# KiCad board dilemma.kicad_pcb (continued)
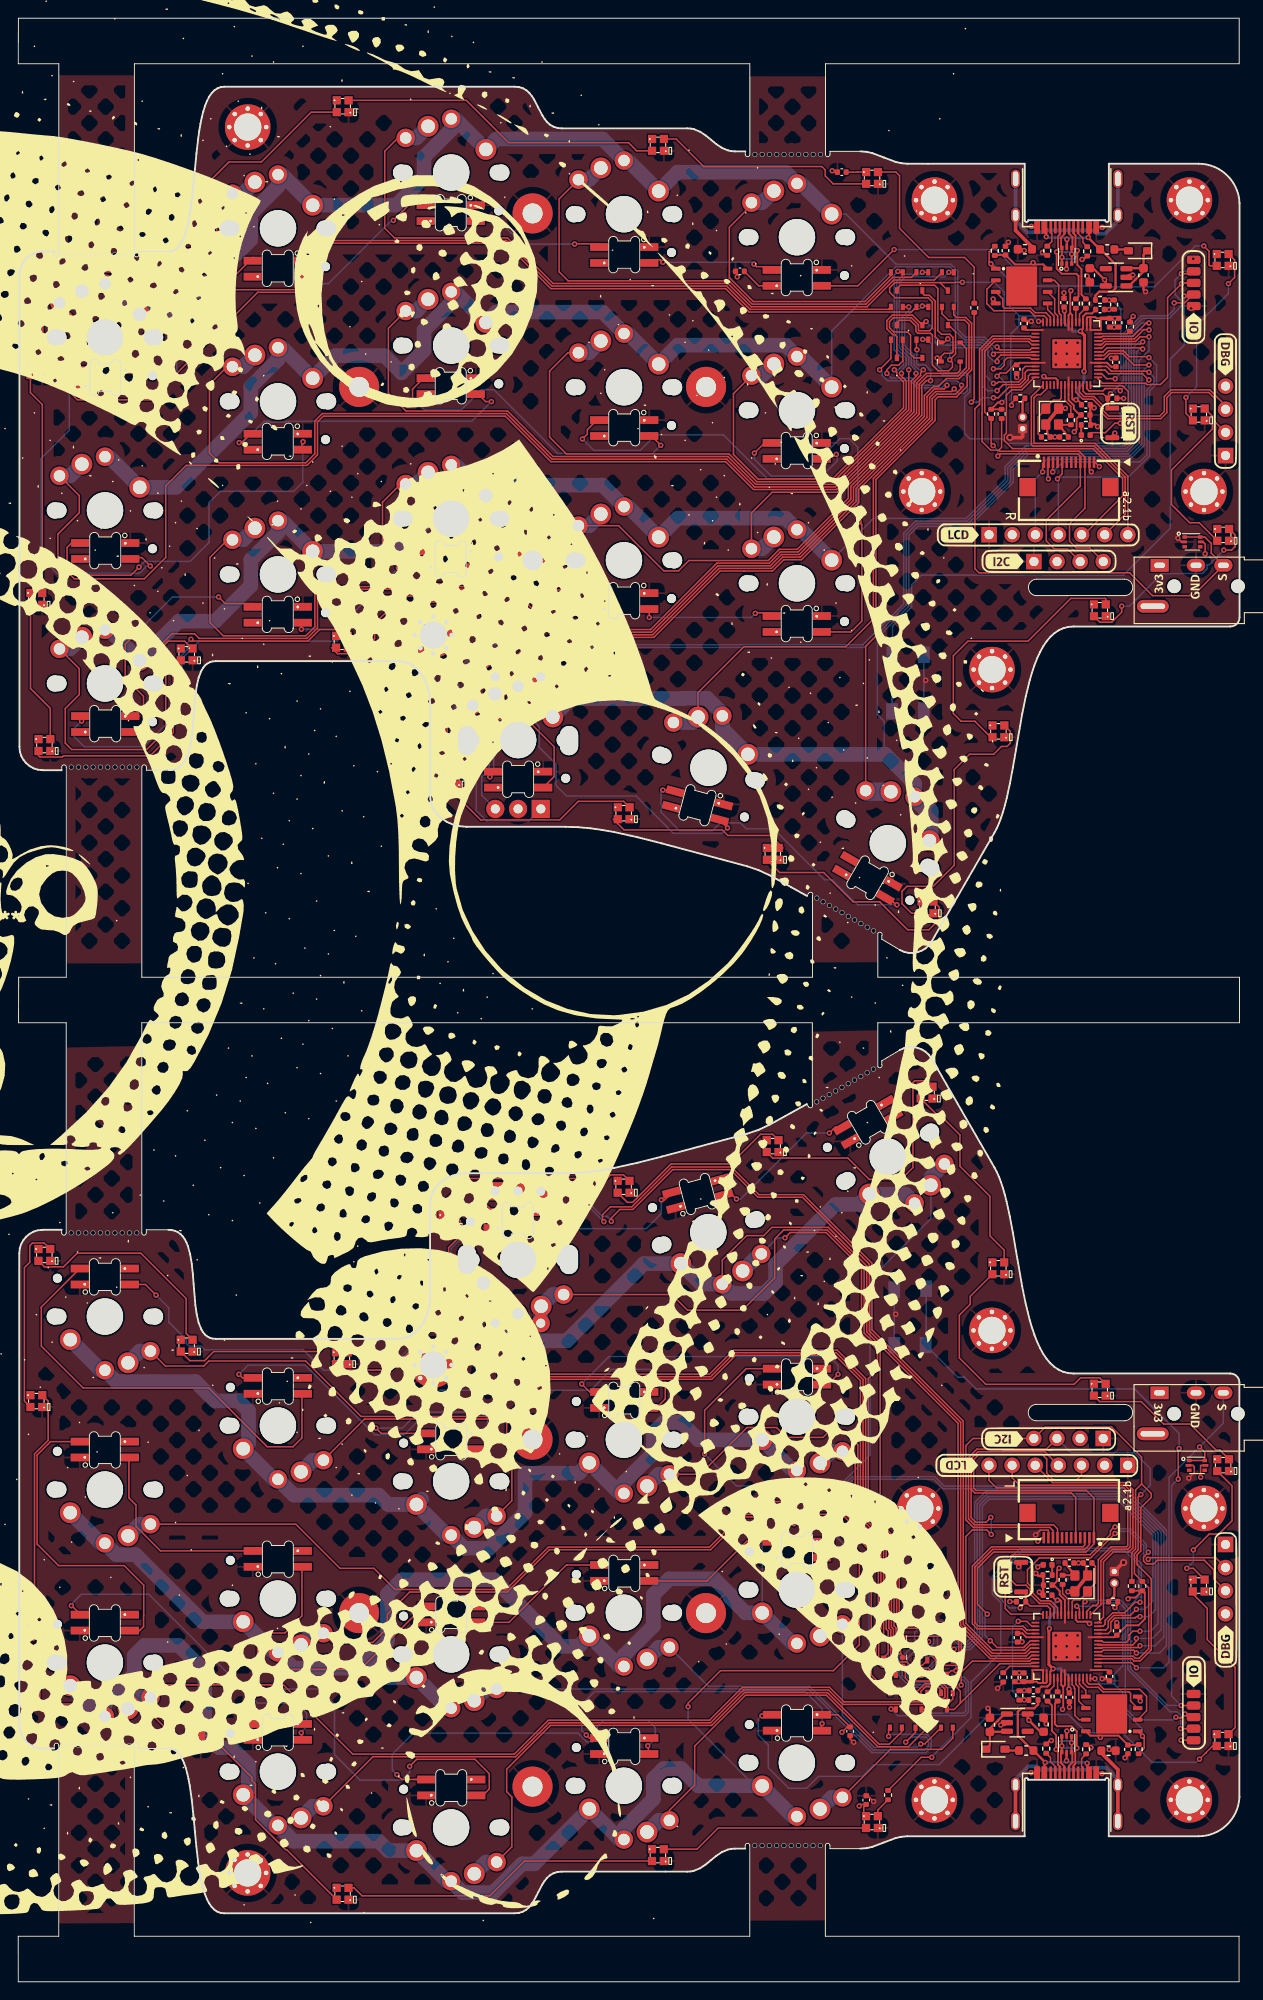
[diagram p0: board, top side]
## Routing (per net, layer and track width the routed paths; a pad name or vN(x,y) marks a point on that pad's centre or on a via; arc(x,y) is an arc through that point) (continued)
/~{RESET_L}: length 119.6
  Top w0.16: v1(127.72,30.34) 127.72,30.33 J5008.4 ; v1(127.41,55.2) 127.41,58.45 v1(127.51,58.55) ; v1(110.04,41.05) 110.67,41.68 R5002.1 111.14,41.26 113.05,41.26 113.36,40.95 U5002.26
  Top w0.25: R5002.1 110.67,42.77 110.63,42.81 SW5001.2
  Bottom w0.16: v1(127.72,30.34) 126.24,30.34 122.17,34.41 122.17,41.36 123.07,42.26 123.07,45.8 121.55,47.32 110.2,47.32 110.2,47.26 107.28,44.34 107.28,42.67 108.89,41.05 v1(110.04,41.05) ; v1(127.72,30.34) 127.72,30.33 J5008.4 ; v1(127.72,30.34) 126.68,31.37 126.68,54.47 v1(127.41,55.2) ; v1(127.51,58.55) 127.51,60.2 122.61,65.1 105.21,65.1 103.94,66.37 ; 103.82,66.48 103.94,66.37 ; 103.94,66.37 103.2,66.37 SW5021.1 99.72,69.95 SW5021.1
/~{RESET}: length 97.1
  Top w0.16: v1(128.06,185.1) 128.94,185.1 J4.4 129.01,185.27 128.09,184.34 v1(126.97,184.34) ; U1.26 116.96,174.65 117.27,174.34 119.18,174.34 R2.1 119.96,174.18 v1(119.96,174.37)
  Top w0.25: SW1.2 119.69,172.79 119.65,172.83 R2.1
  Bottom w0.16: v1(126.97,184.34) 126.97,183.62 126.28,182.93 123.35,182.93 121.4,180.98 121.4,175.8 v1(119.96,174.37) ; J5010.4 128.21,185.25 v1(128.06,185.1) 128.06,179.7 126.54,178.18 126.54,159.62 121.41,154.49 121.41,154.45 99.21,154.45 98.11,153.35 98.11,150.92 96.02,148.83 SW5022.1 95.97,145.65 SW5022.1
ENC_PIN1: length 124.7
  Top w0.16: 123.6,179.28 123.48,179.4 119.58,179.4 119.14,178.97 118.6,178.97
  Bottom w0.16: 123.6,179.28 123.16,179.28 122.83,178.95 122.83,169.08 121.8,168.05 110.88,168.05 108.99,166.16 108.99,164.75 104.34,160.1 98.69,160.1 97.54,158.94 97.54,151.16 92.89,146.51 51.13,146.51 48.37,143.75 48.37,139.24 49.06,138.55 50.82,138.55 51.73,137.64 51.73,133.11 50.91,132.29 50.91,130.27 SW3002.B
  vias: v1(123.51,179.28)
ENC_PIN1_L: length 98.6
  Top w0.16: v1(64.33,83.47) 64.18,83.62 64.18,84.24 65.03,85.09 67.4,85.09 71.77,89.46 78.33,89.46 81.36,86.43 86.25,86.43 93.77,78.91 93.77,71.59 103.8,61.56 103.8,39.24 106.97,36.07 110.61,36.07 111.18,36.63 U5002.36
  Bottom w0.16: v1(64.33,83.47) 60.99,86.81 SW5020.B
ENC_PIN2: length 133.4
  Top w0.16: v1(123.51,180.07) 123.26,179.82 119.47,179.82 119.02,179.37 118.6,179.37
  Bottom w0.16: SW3002.A 56.08,127.46 51.44,127.46 50.31,128.59 50.31,133.4 51.44,134.53 51.44,137.51 50.68,138.26 48.94,138.26 47.92,139.28 47.92,143.71 51.01,146.8 92.77,146.8 97.25,151.28 97.25,159.06 98.57,160.38 104.22,160.38 108.68,164.84 108.68,166.25 110.77,168.35 121.7,168.35 122.54,169.19 122.54,179.51 123.11,180.07 v1(123.51,180.07)
ENC_PIN2_L: length 104.1
  Top w0.16: U5002.37 111.18,36.23 110.73,35.78 106.86,35.78 103.51,39.12 103.51,61.44 93.48,71.47 93.48,78.79 86.13,86.14 81.24,86.14 78.21,89.18 71.89,89.18 67.51,84.8 66.08,84.8 65.15,83.87 v1(65.15,83.5)
  Bottom w0.16: SW5020.A 53.72,88.14 60.06,88.14 64.16,84.04 64.69,84.04 65.15,83.58 v1(65.15,83.5)
encoder_diode: length 82.2
  Top w0.16: D37.1 99.37,180.3 v1(99.34,180.33) ; v1(102.81,174.9) 102.51,174.61 100.77,174.61 100.1,173.94 100.1,171.64 92.31,163.85 92.31,162.42 86.03,156.14 84.08,156.14 82.84,154.9 77.09,154.9 69.8,147.61 56.73,147.61 SW3002.S1
  Bottom w0.16: v1(102.81,174.9) 103.31,174.39 103.94,174.39 104.24,174.69 104.24,176.11 103.97,176.38 101.62,176.38 100.29,177.71 100.29,179.81 99.78,180.33 v1(99.34,180.33)
  Bottom w1.6: SW3001.2 51.09,140.14 SW3001.2 52.37,143.25 SW3002.S1
encoder_diode_L: length 96.2
  Top w0.16: SW5013.2 71.8,75.46 73.52,73.74 79.54,73.74 83.08,77.28 83.08,81.55 84.08,82.55 88.84,82.55 92.91,78.49 92.91,71.23 94.67,69.47 94.67,50.38 96.77,48.28 96.77,39.92 97.59,39.1 100.32,39.1 v1(100.96,38.46) ; D5008.1 98.71,35.3 v1(99.13,35.72)
  Bottom w0.16: v1(99.13,35.72) 100.15,35.72 100.96,36.53 v1(100.96,38.46)
  Bottom w1.6: SW5013.2 58.72,75.46 SW5013.2 57.39,74.13 SW5020.S1
HAND: length 3.6
  Top w0.16: R101.1 121.86,180.97 118.6,180.97
HAND_L: length 3.8
  Top w0.16: R5012.1 108.88,34.63 U5002.41
IO14_L: length 25.7
  Top w0.16: v1(127.66,27.8) 129.09,27.8 J5008.2 ; U5002.17 116.96,41.53 v1(117.18,41.75)
  Bottom w0.16: J5008.2 127.66,27.79 v1(127.66,27.8) 127.66,27.81 127.66,29.26 127.28,29.65 126.52,29.65 121.88,34.29 121.88,41.09 121.09,41.88 117.31,41.88 v1(117.18,41.75)
IO15_L: length 27.3
  Top w0.16: v1(127.16,29.05) 127.23,28.98 127.74,28.98 v1(128.16,29.4) 128.76,29.4 J5008.3 ; v1(116.26,41.24) 116.56,40.95 U5002.18
  Bottom w0.16: v1(127.16,29.05) 126.87,28.76 122.85,28.76 121.59,30.02 121.59,40.97 120.97,41.6 119.12,41.6 118.77,41.24 v1(116.26,41.24) ; v1(128.16,29.4) 128.49,29.06 J5008.3
IO16: length 25.2
  Top w0.16: U1.27 117.36,174.93 117.61,174.68 119.14,174.68 119.4,174.94 120.81,174.94 v1(121.05,174.7) ; v1(127.75,187.54) 128.84,187.54 J4.2
  Bottom w0.16: v1(121.05,174.7) 121.68,175.33 121.68,180.86 123.47,182.64 126.4,182.64 127.75,183.99 127.75,184.56 127.06,185.25 127.06,186.85 v1(127.75,187.54) 128,187.79 J5010.2
IO18: length 22.1
  Top w0.16: J4.3 127.85,186.54 v1(127.76,186.45) 126.24,184.92 126.24,176.16 125.46,175.39 124.39,175.39 124.37,175.37 123.96,175.37 123.82,175.51 119.08,175.51 118.6,176 U1.29
  Bottom w0.16: J5010.3 127.84,186.52 v1(127.76,186.45)
M_COL1: length 28.4
  Top w0.16: 111.73,177.37 110.61,177.37 110.31,177.07 110.31,176.1 109.87,175.66 107.66,175.66 107.5,175.5 v1(107.11,175.5) ; D35.3 96.51,180.64 96.29,180.86 96.05,180.86 95.41,181.49 95.41,182.41 96,183 98.21,183 D30.3 v1(99.71,182.3)
  Bottom w0.16: v1(99.71,182.3) 100.71,181.3 100.71,180 100.99,179.71 105.69,179.71 106.22,179.19 106.22,176.39 v1(107.11,175.5)
M_COL1_L: length 63.8
  Top w0.16: v1(123.21,40.1) 122.82,40.1 122.66,39.94 120.45,39.94 120.01,39.5 120.01,38.53 119.71,38.23 U5002.11 ; D5002.3 98.3,33.7 v1(98.18,33.82) ; v1(102.79,36.51) 102,37.3 D5003.3
  Bottom w0.16: v1(123.21,40.1) 124.17,40.1 124.91,40.85 124.91,49.17 120.8,53.29 106.53,53.29 105.61,52.36 105.61,37.93 104.44,36.77 103.05,36.77 v1(102.79,36.51) 101.36,36.51 101.06,36.21 101.06,35.66 99.25,33.84 98.2,33.84 v1(98.18,33.82)
M_COL2: length 32.6
  Top w0.16: D36.3 102.21,181.9 102.95,181.16 102.95,178.74 v1(102.31,178.1) 102.61,177.8 102.61,177.3 102.21,176.9 101.01,176.9 100.41,177.5 100.41,180.8 100.21,181 98.81,181 98.59,181.22 98.59,181.81 97.97,182.43 96.74,182.43 96.51,182.2 D31.3 ; 111.73,176.97 110.86,176.97 110.6,176.7 110.6,175.98 109.99,175.37 108.18,175.37 v1(107.51,174.7)
  Bottom w0.16: v1(102.31,178.1) 102.31,178.9 102.84,179.43 105.58,179.43 105.94,179.07 105.94,175.22 106.46,174.7 v1(107.51,174.7)
M_COL2_L: length 75.1
  Top w0.16: v1(122.81,40.9) 122.14,40.23 120.33,40.23 119.72,39.62 119.72,38.9 119.46,38.63 U5002.12 ; v1(103.56,37.85) 103.58,37.82 103.58,34.84 103.18,34.44 103.08,34.44 102.99,34.35 v1(102.99,34.16) 102.46,34.16 D5005.3 ; D5006.3 95.58,33.7 v1(95.57,33.7)
  Bottom w0.16: v1(122.81,40.9) 123.73,40.9 124.63,41.8 124.63,49.03 120.66,53 106.65,53 105.9,52.24 105.9,37.81 104.56,36.48 103.61,36.48 102.99,35.86 v1(102.99,34.16) ; v1(95.57,33.7) 95.57,36.31 96.43,37.16 96.43,38.64 97.38,39.59 101.5,39.59 103.24,37.85 v1(103.56,37.85)
M_COL3: length 50.4
  Top w0.16: U1.9 111.29,178.17 111.13,178.33 108.64,178.33 108.31,178 108.31,177.5 107.91,177.1 v1(107.11,177.1) ; D37.3 98.41,178.3 98.01,178.7 98.01,180.8 97.67,181.14 96.17,181.14 95.69,181.61 95.69,182.29 96.12,182.71 98.09,182.71 98.88,181.93 98.88,181.34 98.93,181.29 100.09,181.29 100.39,181.58 100.39,184.46 99.95,184.9 96.32,184.9 95.71,185.51 95.71,185.99 96.28,186.57 101.24,186.57 ; 101.24,186.57 D32.3 ; 101.24,186.57 102.94,186.57 102.97,186.6 v1(103.71,186.6)
  Bottom w0.16: v1(103.71,186.6) 107.21,186.6 108.31,185.5 108.31,177.9 107.51,177.1 v1(107.11,177.1)
M_COL3_L: length 91.1
  Top w0.16: v1(123.21,38.5) 122.41,38.5 122.01,38.1 122.01,37.6 121.68,37.27 119.19,37.27 119.03,37.43 U5002.9 ; D5008.3 99.95,37.3 v1(100,37.35) ; D5007.3 95.92,29.9 v1(95.87,29.95)
  Bottom w0.16: v1(95.87,29.95) 96.6,29.22 103.96,29.22 104.37,29.63 104.37,32.95 103.86,33.46 103.02,33.46 102.45,32.89 97.86,32.89 97.1,33.65 97.1,35.69 98.75,37.35 ; v1(123.21,38.5) 124.38,38.5 125.2,39.32 125.2,49.29 120.92,53.57 106.41,53.57 105.32,52.48 105.32,38.05 104.32,37.05 103.23,37.05 101.26,39.02 99.09,39.02 98.46,38.38 98.46,37.64 98.75,37.35 ; 98.75,37.35 v1(100,37.35)
M_COL4: length 19.4
  Top w0.16: v1(102.1,180.39) 101.71,180 D112.1 100.71,180.64 100.71,184.54 100.06,185.19 99.52,185.19 99.3,185.4 D33.3 ; v1(107.51,177.9) 107.51,178.2 107.92,178.61 111.68,178.61 U1.8
  Bottom w0.16: v1(107.51,177.9) 107.19,177.9 106.51,178.58 106.51,179.38 105.89,180 102.49,180 v1(102.1,180.39)
M_COL4_L: length 87.8
  Top w0.16: v1(96.72,36.23) 97.15,35.8 D5009.1 ; v1(99.95,29.95) 99.26,29.95 D5010.3 ; v1(122.81,37.7) 122.81,37.4 122.4,36.99 118.64,36.99 U5002.8
  Bottom w0.16: v1(99.95,29.95) 100.39,29.51 103.84,29.51 104.08,29.75 104.08,32.83 103.74,33.17 103.14,33.17 102.57,32.61 97.74,32.61 96.72,33.63 v1(96.72,36.23) 96.72,38.52 97.5,39.3 101.38,39.3 103.35,37.34 104.21,37.34 105.04,38.17 105.04,52.6 106.3,53.86 121.04,53.86 125.54,49.36 125.54,38.66 124.58,37.7 v1(122.81,37.7)
M_COL5: length 66.5
  Top w0.16: D34.3 96.51,185.9 96.89,186.28 100.64,186.28 101.01,185.91 101.01,181.3 101.41,180.9 102.31,180.9 102.67,180.54 102.67,178.96 102.51,178.8 101.71,178.8 101.36,178.45 D115.1 100.96,178.29 v1(100.93,178.29) 101.07,178.15 ; 124.2,182.14 123.89,182.14 122.44,180.68 119.11,180.68 119,180.57 U1.40
  Bottom w0.16: v1(100.93,178.29) 100.93,177.48 101.74,176.67 104.09,176.67 104.52,176.23 104.52,174.57 103.94,173.98 103.94,170.01 104.53,169.42 108.09,169.42 108.59,168.92 121.46,168.92 121.97,169.43 121.97,180.74 123.36,182.14 124.2,182.14
  vias: v1(124.19,182.14)
M_COL5_L: length 28.5
  Top w0.16: D5011.1 97.38,37.93 102.66,37.93 103.3,37.29 103.3,34.96 103.08,34.74 101.5,34.74 101.07,34.32 101.07,33.66 101.65,33.09 102.69,33.09 103.07,32.71 103.07,32.32 103.48,31.91 103.48,30.59 ; 103.48,30.59 107.81,34.92 111.2,34.92 111.31,35.03 U5002.40 ; 103.48,30.59 102.79,29.9 D5012.3
M_ROW1: length 139
  Top w0.16: U1.38 119.01,179.77 119.35,180.11 122.72,180.11 123.23,180.62 124.2,180.62
  Bottom w0.16: 124.2,180.62 124.2,179.1 123.12,178.02 123.12,168.96 121.92,167.76 111,167.76 109.28,166.04 109.28,164.63 104.46,159.81 98.81,159.81 97.82,158.83 97.82,151.04 94.37,147.59 94.37,139.14 95.11,138.39 95.11,134.89 98.46,131.55
  Bottom w1.6: SW119.1 98.46,131.55 95.24,134.77 SW118.1 77.34,137.58 SW118.1 77.34,139.27 75.67,140.94 73.14,140.94 73.11,140.9 60.74,140.9 SW3001.1 57.4,140.2 SW3002.S2 56.36,142.24 SW3001.1
  Bottom w2: SW119.1 100.08,128.49 SW119.1
  vias: v1(124.19,180.62)
M_ROW1_L: length 141.3
  Top w0.16: U5002.38 111.3,35.83 110.96,35.49 106.73,35.49 103.23,39 103.23,61.32 93.19,71.35 93.19,78.61 88.96,82.84 82.79,82.84 81.88,81.93 80.02,81.93 77.33,79.24 SW5005.1
  Bottom w1.6: SW5013.1 53.44,73.36 SW5020.S2 ; SW5020.S2 54.31,70.38 60.25,70.38 68.72,78.86 SW5005.1 75.03,76.6 SW5005.1 78.34,75.58 81.92,75.58 83.19,76.85 83.19,78.78 89.76,85.35 92.33,85.35 SW5009.1 97.44,86.49 SW5009.1 ; SW5020.S2 52.39,75.42 SW5013.1
M_ROW2: length 136.7
  Top w0.16: 111.73,179.37 111.31,179.37 111.13,179.19 107.82,179.19 v1(107.51,179.5)
  Bottom w0.16: SW115.1 90.92,194.09 96.42,188.59 102.44,188.59 103.19,187.84 103.19,181.41 104.04,180.57 106.12,180.57 107.2,179.5 v1(107.51,179.5)
  Bottom w1.6: SW115.1 85.98,197.45 SW115.1 84.28,198.7 72.43,198.7 SW112.1 66.98,199.98 SW112.1 64.18,202.34 52.51,202.34 SW107.1 48.01,204.55 SW107.1 47.56,203.35 44.56,200.35 44.56,198.12 41.51,195.07 SW104.1 28.98,198.43 SW104.1 28.53,197.13 25.54,194.13 25.54,191.29 17.34,183.09 SW101.1 9.98,186.45 SW101.1
M_ROW2_L: length 229.5
  Top w0.16: v1(89.78,49.86) 89.78,49.69 92.39,47.08 92.39,37.01 89.54,34.16 77.14,34.16 73.58,30.6 v1(73.58,30.2) ; U5002.6 119.01,36.23 119.19,36.41 122.5,36.41 v1(122.81,36.1)
  Bottom w0.16: v1(122.81,36.1) 125.36,36.1 126.11,36.85 126.11,49.6 121.27,54.43 116.5,54.43 116.5,54.44 116.49,54.43 101.69,54.43 100.66,55.47 91.6,55.47 89.78,53.65 v1(89.78,49.86) ; SW5017.1 80.91,21.51 73.58,28.84 v1(73.58,30.2)
  Bottom w1.6: SW5002.1 9.07,29.15 SW5002.1 9.52,30.57 12.75,33.8 12.75,35.81 13.88,36.94 17.64,36.94 20.49,34.09 20.49,27.3 22.09,25.7 23.43,25.7 25.29,23.84 25.29,21.11 SW5006.1 28.07,17.17 SW5006.1 30.26,15.44 39.6,15.44 40.63,14.41 SW5010.1 47.1,11.05 SW5010.1 48.8,9.8 52.19,9.8 55.34,12.95 56.68,12.95 SW5014.1 66.07,15.62 SW5014.1 66.52,16.83 69.75,20.06 69.75,22.29 70.88,23.41 72.81,23.41 74.71,21.51 SW5017.1 85.07,18.15 SW5017.1
M_ROW3: length 145.5
  Top w0.16: v1(107.11,178.7) 107.31,178.9 111.26,178.9 111.33,178.97 111.73,178.97
  Bottom w0.16: SW116.1 89.34,181.25 96.4,188.31 102.32,188.31 102.91,187.72 102.91,181.29 103.92,180.29 106.01,180.29 107.01,179.28 107.01,178.8 v1(107.11,178.7)
  Bottom w1.6: SW116.1 85.98,178.45 SW116.1 84.28,179.7 72.43,179.7 SW113.1 66.98,180.98 SW113.1 64.18,183.34 52.51,183.34 SW108.1 48.01,185.55 SW108.1 47.56,184.35 44.56,181.35 44.56,179.12 42.1,176.66 40.21,178.55 34.83,178.55 SW105.1 28.98,179.43 SW105.1 28.53,178.13 25.54,175.13 25.54,172.29 17.34,164.09 SW102.1 9.98,167.45 SW102.1
M_ROW3_L: length 199.2
  Top w0.16: v1(90.55,53.41) 89.87,52.73 v1(82.86,52.73) ; U5002.7 118.99,36.63 119.06,36.7 123.01,36.7 v1(123.21,36.9)
  Bottom w0.16: v1(90.55,53.41) 90.55,54.01 91.71,55.18 100.54,55.18 101.57,54.14 121.16,54.14 125.82,49.48 125.82,37.87 124.86,36.9 v1(123.21,36.9) ; SW5018.1 81.71,51.59 v1(82.86,52.73)
  Bottom w1.6: SW5003.1 9.07,48.15 SW5003.1 10.77,46.9 12.89,46.9 20.26,39.53 SW5007.1 28.07,36.17 SW5007.1 30.26,34.44 37.58,34.44 ; SW5011.1 47.1,30.05 SW5011.1 40.63,33.41 39.6,34.44 37.58,34.44 ; SW5018.1 85.07,37.15 SW5018.1 79.89,40.51 78.21,42.18 78.21,42.49 76.46,44.25 71.51,44.25 69.75,42.5 69.75,39.06 66.52,35.83 SW5015.1 66.07,34.62 SW5015.1 61.57,36.84 59.6,36.84 52.29,44.15 42.14,44.15 40.56,42.57 40.56,37.42 37.58,34.44
M_ROW4: length 163.2
  Top w0.16: 124.19,181.41 123.62,181.41 122.6,180.39 119.23,180.39 119.01,180.17 U1.39
  Bottom w0.16: 124.19,181.41 123.04,181.41 122.25,180.62 122.25,169.31 121.58,168.63 110.66,168.63 108.39,166.37 108.39,164.96 104.1,160.67 93.92,160.67 SW117.1
  Bottom w1.6: SW117.1 85.98,159.45 SW117.1 84.28,160.7 72.43,160.7 SW114.1 66.98,161.98 SW114.1 64.18,164.34 52.51,164.34 SW109.1 48.01,166.55 SW109.1 47.56,165.35 44.56,162.35 44.56,160.12 41.51,157.07 SW106.1 28.98,160.43 SW106.1 28.53,159.13 25.54,156.13 25.54,153.29 21.64,149.39 17.64,149.39 SW103.1 9.98,148.45 SW103.1
  vias: v1(124.2,181.37)
M_ROW4_L: length 156.5
  Top w0.16: U5002.39 111.3,35.43 111.08,35.21 104.78,35.21 103.57,34 v1(103.57,32.59)
  Bottom w0.16: SW5019.1 85.52,51.21 86.98,49.76 88.85,49.76 89.43,49.19 89.54,49.19 93.47,45.26 93.47,33.56 94.71,32.32 103.3,32.32 v1(103.57,32.59)
  Bottom w1.6: SW5012.1 40.63,52.41 39.6,53.44 30.26,53.44 SW5008.1 28.07,55.17 SW5008.1 25.29,59.11 25.29,62.7 24.22,63.78 21.59,63.78 19.47,65.9 10.77,65.9 SW5004.1 9.07,67.15 SW5004.1 ; SW5012.1 47.1,49.05 SW5012.1 49,47.6 51.75,47.6 55.66,51.51 55.66,55.84 61.57,55.84 SW5016.1 66.07,53.62 SW5016.1 66.52,54.83 69.75,58.06 69.75,60.29 70.88,61.41 72.81,61.41 74.71,59.51 SW5019.1 85.07,56.15 SW5019.1 ; SW5012.1 44.32,52.99
NCS: length 27.7
  Top w0.16: 118.6,177.37 119.54,177.37 120.06,176.85 124.06,176.85 124.18,176.73 ; J113.3 113.62,166.8 113.62,165.76
  Bottom w0.16: 124.18,176.73 124.74,176.17 124.74,175.57 123.98,174.8 123.98,167.65 123.2,166.88 114.73,166.88 113.62,165.76
  vias: v1(113.62,165.78) v1(124.19,176.73)
NCS_L: length 27.8
  Top w0.16: U5002.32 110.78,38.23 110.26,38.75 105.34,38.75 104.8,39.3 104.8,45.66 106.9,47.76 116.93,47.76 117.15,47.98 J5007.3
QP_CS: length 26.1
  Top w0.16: U1.15 111.27,174.04 111.27,168.79 111.44,168.62 118.17,168.62 121.59,165.21 121.59,161.14 J3.6
QP_CS_L: length 31.4
  Top w0.16: U5002.15 118.91,41.43 118.91,46.23 120.16,47.48 121.86,47.48 122.15,47.77 122.15,53.91 121.53,54.53 109.98,54.53 109.16,55.34 J5004.6
QP_DC: length 32
  Top w0.16: J3.5 117.05,158.89 121.3,163.14 121.3,165.09 118.05,168.34 110.71,168.34 110.71,168.34 109.21,168.34 108.31,169.24 108.31,169.81 108.54,170.04 108.54,174.21 109.13,174.8 110.23,174.8 111.59,176.17 U1.14
QP_DC_L: length 29
  Top w0.16: U5002.14 119.2,40.04 119.2,46.11 120.28,47.19 121.98,47.19 122.44,47.65 122.44,54.03 121.65,54.81 113.6,54.81 J5004.5
QP_RST: length 25.5
  Top w0.16: U1.16 112.96,174.93 112.3,174.27 111.91,174.27 111.56,173.92 111.56,168.91 118.29,168.91 121.87,165.33 J3.7
QP_RST_L: length 34
  Top w0.16: J5004.7 106.62,55.06 107.45,54.24 121.42,54.24 121.86,53.79 121.86,47.89 121.74,47.76 120.04,47.76 118.63,46.35 118.63,41.55 118.41,41.33 118.02,41.33 117.36,40.67 U5002.16
RGB: length 50.5
  Top w0.16: v1(130.21,190.6) 130.8,190.01 130.8,188.5 130.89,188.41 D5.3 ; 88.16,186.22 92.22,186.22 v1(96.21,190.2)
  Bottom w0.16: v1(96.21,190.2) 107.41,190.2 111.41,186.2 119.56,186.2 119.66,186.1 124.79,186.1 129.29,190.6 v1(130.21,190.6)
RGB_L: length 64.2
  Top w0.16: 130.43,25.14 131.18,25.89 D5015.3 ; 130.43,25.14 130.51,25.14 ; 130.43,25.14 v1(129.74,24.45) ; 82.89,29.32 82.76,29.2 v1(81.69,29.2)
  Bottom w0.16: v1(129.74,24.45) 129.38,24.09 124.55,24.09 121.3,27.34 117.35,27.34 115.34,29.35 106.64,29.35 101.14,23.85 93.94,23.85 92.64,22.55 87.89,22.55 86.59,21.25 84.64,21.25 82.39,23.5 82.39,26 81.29,27.1 81.29,28.9 81.59,29.2 v1(81.69,29.2)
SCL: length 43
  Top w0.16: U1.5 111.31,179.77 110.97,180.11 107.23,180.11 106.16,179.03 106.16,172.35 106.86,171.65 R104.2 106.86,168.89 v1(107.08,168.67) ; v1(107.6,167.52) 107.84,167.76 116.38,167.76 116.66,167.49 J113.9 116.66,164.23 112.92,160.49 112.92,158.2 113.8,157.32 115.26,157.32 O101.3
  Bottom w0.16: v1(107.6,167.52) 107.6,168.15 v1(107.08,168.67)
SCL_L: length 67.4
  Top w0.16: J5007.9 114.15,49.74 113.71,50.18 105.03,50.18 104.37,50.84 104.37,57.56 105.3,58.49 112.92,58.49 O5001.3 ; v1(123.3,53.5) 123.01,53.21 123.01,47.41 122.6,47 122.6,44.82 R5014.2 123.46,43.95 124.16,43.25 124.16,36.57 123.11,35.52 122.68,35.52 122.45,35.75 119.09,35.75 119.01,35.83 U5002.5
  Bottom w0.16: v1(123.3,53.5) 124.35,54.55 124.35,56.34 122.59,58.1 115.65,58.1 O5001.3
SDA: length 46.7
  Top w0.16: 107.69,168.16 107.8,168.05 116.5,168.05 117.16,167.4 J113.10 117.16,161.79 115.47,160.1 115.47,158.18 116.22,157.43 117.69,157.43 O101.4 ; 107.69,168.16 106.82,168.16 105.86,169.13 105.86,172.22 105.87,172.23 105.87,179.15 107.12,180.4 109.03,180.4 109.04,180.39 111.09,180.39 111.32,180.17 U1.4 ; 107.69,168.16 108.01,168.48 R103.1
SDA_L: length 81
  Top w0.16: 123.39,54.67 124.45,53.61 124.45,53.19 123.3,52.04 123.3,47.29 122.88,46.88 122.88,45.82 124.45,44.26 124.45,36.45 123.23,35.23 122.56,35.23 122.33,35.46 118.62,35.46 U5002.4 ; 123.39,54.67 123.39,57.61 120.09,60.91 112.8,60.91 O5001.4 104.87,59.66 104.09,58.88 104.09,50.72 104.91,49.89 113.3,49.89 113.65,49.55 J5007.10 ; 123.39,54.67 122.72,54.01 122.72,47.53 122.31,47.12 R5013.1
SERIAL: length 67.2
  Top w0.16: U5005.1 U5005.6 130.33,158.64 131.04,157.93 131.04,156.85 J102.R2 129.06,152.22 128.64,152.22 128.62,152.2 124.58,152.2 122.07,154.71 105.52,154.71 105.07,155.15 105.07,172.72 105.55,173.19 105.59,173.19 105.59,179.27 107,180.68 109.24,180.68 109.24,180.68 111.21,180.68 111.33,180.57 U1.3
SERIAL_L: length 43.8
  Top w0.16: v1(129.75,58.72) 130.32,58.15 U5006.6 U5006.1 ; U5002.3 122.26,35.03 v1(122.82,34.48)
  Bottom w0.16: J5003.R2 132.36,61.33 v1(129.75,58.72) 126.4,55.37 126.4,35.09 125.79,34.48 v1(122.82,34.48)
UNDER_RGB: length 18.5
  Top w0.16: v1(104.69,173.45) 105,173.76 105,183.28 R5016.1 ; U1.13 111.18,176.57 110.95,176.33 110.95,175.92 110.11,175.09 108.8,175.09 107.65,173.93 v1(107.11,173.93)
  Bottom w0.16: v1(107.11,173.93) 105.91,173.93 105.43,173.45 v1(104.69,173.45)
UNDER_RGB_L: length 58.3
  Top w0.16: U5002.13 119.14,39.03 119.37,39.27 119.37,39.67 120.21,40.51 121.52,40.51 122.67,41.67 v1(123.21,41.67) ; v1(100.34,24.65) 99.18,24.65 R5015.1
  Bottom w0.16: v1(123.21,41.67) 123.35,41.81 123.35,45.92 121.66,47.61 110.08,47.61 106.99,44.52 106.99,42.55 107.92,41.62 107.92,36.17 104.65,32.91 104.65,29.01 100.34,24.7 v1(100.34,24.65)
Net-(C4-Pad1): length 3.1
  Top w0.2: 115.66,170.96 114.3,170.96
  Top w0.25: Y1.3 C4.1
Net-(C5008-Pad1): length 3.1
  Top w0.2: 114.66,44.64 116.02,44.64
  Top w0.25: Y5001.3 C5008.1
Net-(D1-K): length 1.1
  Top w0.2: 116.75,171.04 116.75,169.95 116.78,169.92
Net-(D2-A): length 1.6
  Top w0.25: F1.2 121.79,190.21 D2.2
Net-(D3-DIN): length 21.8
  Top w0.16: R5016.2 105.01,188.26 103.94,189.33 100,189.33 96.8,192.53 96.8,198.31 96.4,198.71 94.9,198.71
Net-(D3-DOUT): length 24.6
  Top w0.16: D3.3 89.51,197.41 88.64,198.28 88.64,198.94 88.27,199.31 75.3,199.31 72.27,202.34 D7.1
Net-(D4-DOUT): length 40.2
  Top w0.16: D8.1 48.22,134.51 47.12,135.61 47.12,141.5 50.98,145.36 50.98,150.18 49.66,151.5 41.52,151.5 39.14,149.13 39.14,147.47 37.49,145.82 35.07,145.82 34.41,146.48
Net-(D11-DIN): length 35.2
  Top w0.16: 36.76,206.58 49.22,206.58 53.87,201.93 67.04,201.93 67.93,201.04 D7.3
Net-(D11-DOUT): length 25.2
  Top w0.16: D11.3 32.18,205.28 26.71,199.81 23.14,199.81 20.49,197.16 20.49,192.21 20.55,192.15 20.55,189.89
Net-(D12-DIN): length 23
  Top w0.16: D12.1 66.49,129.61 61.52,129.61 59.48,127.57 50.8,127.57 D8.3
Net-(D12-DOUT): length 20
  Top w0.16: 65.35,127.66 66.54,126.47 77.33,126.47 77.93,125.86 82.63,125.86 84,124.5
Net-(D15-DOUT): length 26.6
  Top w0.16: D15.3 18.78,187.67 18.24,187.13 12.49,187.13 11.86,187.76 4.34,187.76 2.71,186.13 2.71,178.04 2.64,177.97 D18.1
Net-(D16-DIN): length 24.9
  Top w0.16: D9.3 83.62,121.79 88.47,121.79 91.69,118.58 94.62,118.58 97.7,115.5 100.01,115.5 101.18,116.66 101.18,117.96 D16.1
Net-(D16-DOUT): length 30.5
  Top w0.16: 98.72,117.32 98.12,117.32 97.07,118.37 97.07,119.74 97.62,120.28 100.49,120.28 102.81,122.6 102.81,133.1 104.49,134.78 107.14,134.78 107.99,135.64 108.61,135.64 108.97,136 108.97,137.29 D19.1
Net-(D18-DOUT): length 24.5
  Top w0.16: D18.3 1.34,174.49 2.65,173.18 2.65,152.86 2.64,152.85 D21.1
Net-(D19-DOUT): length 31.7
  Top w0.16: D22.1 119.45,151.85 119.4,151.9 115.61,151.9 110.91,147.2 104.31,147.2 102.71,145.6 102.71,139.25 103.55,138.41 105.07,138.41 105.17,138.31 105.17,138.3 106.82,136.65 D19.3
Net-(D21-DOUT): length 15.7
  Top w0.16: D21.3 1.34,150.83 1.35,150.82 1.35,142 3.53,139.82 D24.1
Net-(D22-DOUT): length 22.1
  Top w0.16: v1(121.2,151.04) 121.2,150.38 120.11,149.28 118.81,149.28 D22.3 ; v1(132.41,157.2) 133.27,157.2 133.66,157.59 133.66,158.86 D25.1
  Bottom w0.16: v1(132.41,157.2) 130.81,155.6 130.57,155.6 130.57,155.15 130.04,154.62 125.62,154.62 122.04,151.04 v1(121.2,151.04)
Net-(D24-DOUT): length 30.2
  Top w0.16: D27.1 19.08,146.4 18.28,147.2 16.47,147.2 15.97,146.7 15.97,144.54 17.04,143.47 17.04,137.16 14.49,134.61 4.98,134.61 4.85,134.48 2.39,134.48 2.23,134.64 D24.3
Net-(D25-DOUT): length 19.4
  Top w0.16: D28.1 131.16,171.9 131.16,170.49 126.67,166 126.67,162.2 128.67,160.2 129.72,160.2 D25.3
Net-(D27-DOUT): length 23.4
  Top w0.16: v1(17.27,144.2) 17.27,145.01 17.36,145.1 ; v1(18.97,147.4) 19.16,147.21 31.83,147.21 33.09,148.48 35.99,148.48 36.68,147.78
  Bottom w0.16: v1(17.27,144.2) 17.27,144.97 18.57,146.27 18.57,147 v1(18.97,147.4)
Net-(D28-DOUT): length 21.1
  Top w0.16: D5.1 133.6,189.05 133.6,187.13 v1(132.92,186.45) ; D28.3 128.26,172.2 v1(128.26,173.96)
  Bottom w0.16: v1(132.92,186.45) 132.92,185.36 129.42,181.86 129.42,175.12 v1(128.26,173.96)
Net-(D30-A-Pad1): length 145.2
  Top w0.16: D30.1 99.86,184 v1(99.31,184) ; v1(99.41,177) 99.11,176.7 99.11,176.39 98.38,175.65 98.38,172.35 89.88,163.85 80.76,163.85 77.71,166.9 58.51,166.9 53.51,171.9 33.51,171.9 32.87,171.26 32.87,167.66 31.71,166.5 18.45,166.5 16.2,164.25 16.2,156.4 13.86,154.05 6.16,154.05 4.36,155.85 4.36,158.95 6.71,161.3 6.71,163.18 SW102.2